# Altium PCB PCB1.PcbDoc (part 2 of 2) (continued)
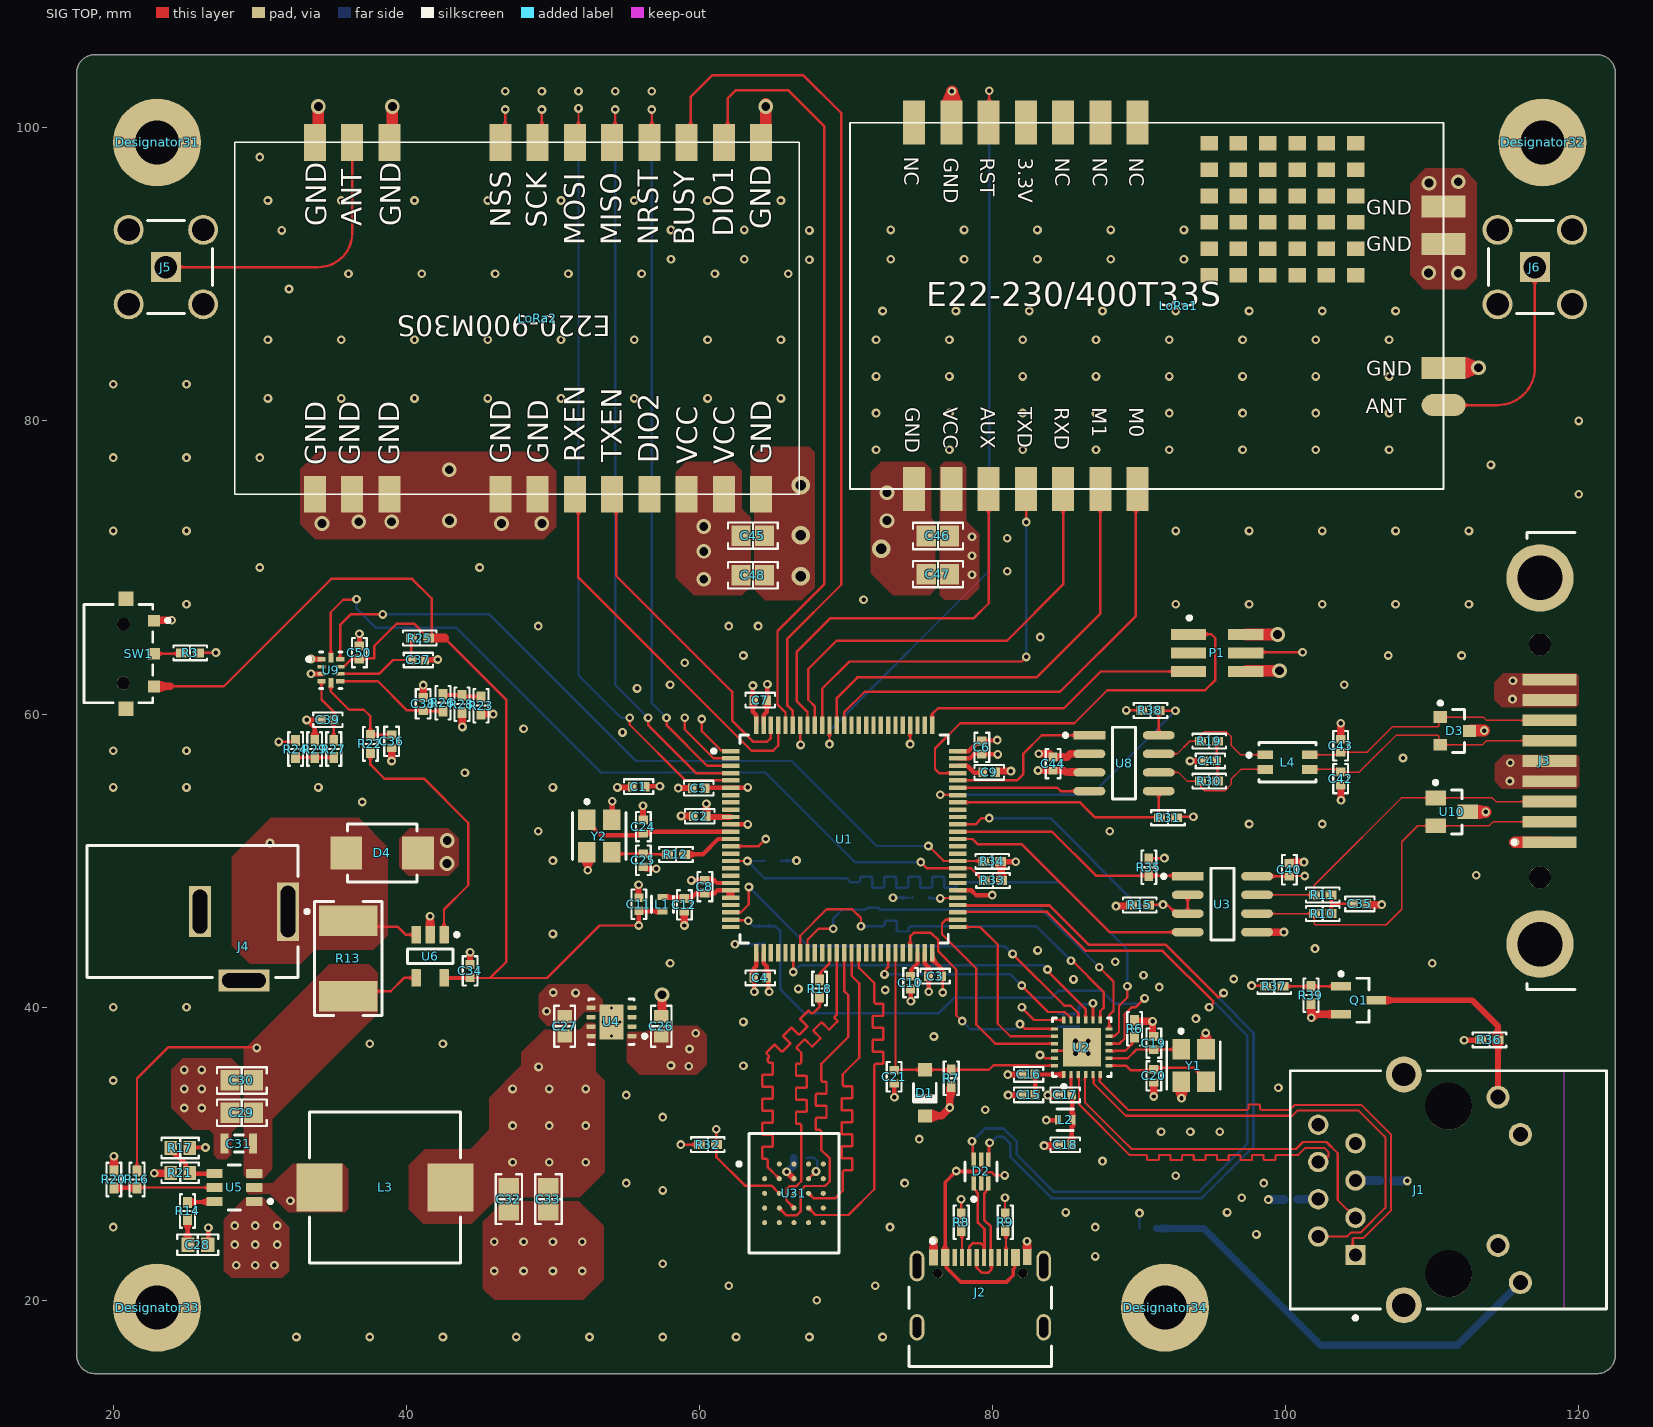
[diagram p0: SIG TOP view]
## Nets (pads, with @x,y where several pads share a name; then routed paths per layer and width w, separated by ;. In a path a pad name is that pad's centre, name@x,y a point inside that pad or via, vN(x,y) a via of type N, cw(c..) or ccw(c..) an arc to the next point about the centre after c; other vN are vias at no path point) (continued)
  SIG TOP w0.35: v1(33.498,62.75) 33.516,62.732 U9.3@34.205,62.732 ; v1(33.498,63.75) 33.503,63.745 U9.1@34.208,63.745 ; C50.1@36.8,64.64 v1(36.8,65.475) ; C38.1@41.125,61.155 C38.1@41.15,61.18 ; C37.1@41.29,63.665 41.333,63.708 42.133,63.708 v1(42.15,63.725) ; R28.2@43.8,60.102 R28.2@43.812,60.09 ; v1@43.812,59.138 v1(43.825,59.125)
  SIG TOP w0.4: C34.1@44.35,42.915 v1(44.35,43.75) ; v1(52.375,49.35) Y2.2@52.375,50.525 ; Y2.4@54.05,52.8 v1(54.05,54.05) ; v1(54.4,55) C1.1@55.36,55 ; C11.1@55.85,47.49 v1(55.85,48.35) ; C24.1@56.15,52.79 v1(56.15,53.75) ; C25.1@56.31,49.45 v1(57.05,49.45) ; v1(58.55,54.95) C5.1@59.51,54.95 ; v1(60.475,53.875) 60.47,53.87 60.47,53.03 C2.1@60.465,53.025 60.515,52.975 U1.10@62.125,52.975 ; v1@65.963,28.775 U31.B3@66.437,28.3 ; v1(81.033,35.4) C16.1@82.003,35.4 ; v1(81.058,34) C15.1@82.003,34 ; v1(83.775,34) C17.1@84.503,34 ; v1(93.475,56.8) C41.1@94.418,56.801
  SIG TOP w0.5: R20.1@20.05,28.825 v1(20.05,29.825) ; v1(22.8,28.675) R21.1@23.9,28.675 ; SW1.1@22.805,66.4 v1(24,66.4) ; v1(39,56.8) C36.1@39,57.7 ; C38.1@41.15,61.18 v1(41.15,61.975) ; U6.2@41.625,44.95 v1(41.625,46.2) ; v1@43.812,59.138 R28.2@43.812,60.09 ; v1(58.975,45.575) C12.1@58.975,46.545 ; J2.A1-B12@75.975,22.94 v1(75.975,24.075) ; C9.1@80.301,56.111 v1(81.25,56.111) ; J2.B1-A12@82.35,22.965 v1(82.35,24.025) ; v1(83.15,57.3) 83.621,57.3 83.638,57.283 83.907,57.283 C44.2@84.125,57.065 85.09,57.065 85.31,57.285 U8.2@86.611,57.285 ; v1(83.517,30.558) C18.1@84.462,30.558 ; v1(88.425,46.9) R15.2@89.4,46.9 ; R6.1@89.767,39.033 v1(90.917,39.033) C19.1@90.917,38.09 ; v1(90.992,33.908) C20.1@90.992,34.858 ; v1(92.892,33.783) Y1.2@92.892,34.885 ; Y1.4@94.55,37.127 v1(94.55,38.244) ; U3.5@98.046,45.122 v1@99.873,45.123 ; C40.2@100.334,49.899 v1(101.249,49.899) ; R39.1@101.725,40.25 101.75,40.225 v1(101.75,39.275) 101.868,39.275 102.118,39.525 Q1.2@103.775,39.525 ; C43.1@103.75,58.28 v1(103.75,59.375) ; v1(103.775,54.125) C42.1@103.775,55.135 ; C35.2@105.555,47 v1(106.55,47)
  SIG TOP w0.6: C26.1@57.45,39.425 v2(57.45,40.85)
  SIG TOP w0.8: LoRa2.22@34,99.335 v2(34,101.45) ; LoRa2.20@39.05,99.365 v2(39.05,101.45) ; LoRa2.12@64.525,99.53 v2@64.525,101.65 ; LoRa1.23@77.225,100.38 v1(77.225,102.5) ; P1.6@97.32,62.95 v2(99.575,62.95) ; LoRa1.12@110.78,83.625 v2(113.15,83.625) ; U10.3@112.425,53.325 v1(113.65,53.325) ; D3.3@112.575,58.875 v1(113.55,58.875) ; v1(115.65,51.25) J3.1@117.99,51.25
  SIG BOT w0.165: C14.1@84.492,38.655 85.852,38.655 C13.1@85.892,38.695 85.892,38.05 85.667,37.825 v5(85.667,37.7) ; C23.1@99.882,26.875 C23.1@99.907,26.9
  SIG BOT w0.5: v1(65.95,28.775) 66.025,28.775 66.435,29.185 C49.1@66.435,29.725
  SIG BOT w0.6: v1(98.817,26.875) C23.1@99.882,26.875 ; C22.1@107.355,28.15 v1(108.3,28.15)
  other v1: 32.5,17.5 37.5,17.5 42.5,17.5 47.5,17.5 52.5,17.5 57.5,17.5 62.5,17.5 67.5,17.5 72.5,17.5 68,20 62,21 72,21 46,22 48,22 50,22 52,22 28.4,22.4 29.7,22.4 31,22.4 57.5,22.5 87,23 28.3,23.8 29.7,23.8 31.2,23.8 46,24 48,24 50,24 52,24 20,25 73,25 87,25 28.3,25.1 29.7,25.1 31.2,25.1 57.5,27.5 55,28 74,28 75,31 57.5,32.5 24.85,33.125 26.05,33.125 55,34 24.85,34.425 26.05,34.425 20,35 24.85,35.725 26.05,35.725 63,36 37.5,37.5 42.5,37.5 76,38 63,39 93.875,39.225 49.575,39.725 20,40 25,40 51.55,40.975 50.025,41 72.675,41.175 66.75,41.25 91.375,41.375 85.525,41.9 96.45,41.925 90.3,42.175 58,43 110,43 88.375,43.1 83.075,43.875 102,44 50,45 113,49 50,50 49,52 88,52 97.5,52.5 102.5,52.5 37,54 20,55 25,55 34,55 50,55 115.3,55.425 44,56 115.325,56.675 108,57 20,57.5 25,57.5 54.75,58.75 48,59 115.475,61.025 55.75,61.75 58,62 104,62 115.5,62.275 59,63.5 63,64 107,64 112,64 83.25,65.25 49,66 62,66 64,66 25,67.5 92.5,67.5 97.5,67.5 102.5,67.5 107.5,67.5 112.5,67.5 71.2,67.8 81,69.75 30,70 45,70 81,72 20,72.5 25,72.5 92.5,72.5 97.5,72.5 102.5,72.5 107.5,72.5 112.5,72.5 120,75 114,77 20,77.5 25,77.5 30,77.5 72.057,78.038 77.057,78.038 82.057,78.038 87.057,78.038 92.057,78.038 97.057,78.038 102.057,78.038 107.057,78.038 120,80 72.057,80.538 77.057,80.538 82.057,80.538 87.057,80.538 92.057,80.538 97.057,80.538 102.057,80.538 107.057,80.538 30.557,81.538 35.557,81.538 40.557,81.538 45.557,81.538 50.557,81.538 55.557,81.538 60.557,81.538 65.557,81.538 20,82.5 25,82.5 72.057,83.038 77.057,83.038 82.057,83.038 87.057,83.038 92.057,83.038 97.057,83.038 102.057,83.038 107.057,83.038 30.557,85.538 35.557,85.538 40.557,85.538 45.557,85.538 50.557,85.538 55.557,85.538 60.557,85.538 65.557,85.538 72.057,85.538 77.057,85.538 82.057,85.538 87.057,85.538 92.057,85.538 97.057,85.538 102.057,85.538 107.057,85.538 72.5,87.5 77.5,87.5 82.5,87.5 87.5,87.5 92.5,87.5 97.5,87.5 102.5,87.5 107.5,87.5 32,89 36.057,90.038 41.057,90.038 46.057,90.038 51.057,90.038 56.057,90.038 61.057,90.038 66.057,90.038 67.5,91 58.057,91.038 63.057,91.038 73.057,91.038 78.057,91.038 83.057,91.038 88.057,91.038 93.057,91.038 31.5,93 67.5,93 58.057,93.038 63.057,93.038 73.057,93.038 78.057,93.038 83.057,93.038 88.057,93.038 93.057,93.038 30.557,95.038 35.557,95.038 40.557,95.038 45.557,95.038 50.557,95.038 55.557,95.038 60.557,95.038 65.557,95.038 30,98 46.75,102.5 49.25,102.5 51.75,102.5 54.25,102.5 56.75,102.5
  other v2: 42.775,49.8 42.8,51.375 34.25,73 46.5,73 49.25,73 36.75,73.123 39,73.123 42.95,73.2 72.8,73.2 72.8,75.1 42.925,76.675 111.775,90.075 109.75,90.1 109.775,96.225 111.775,96.325 64.525,101.45
  other v3: 98,24.5 85,26 96,26 97,27 98.5,28 92.5,28.5 87.5,29.5 91.5,31.5 93.5,31.5 95.5,31.5 79.5,33 99.5,34.5
  other v4: 66.9,69.4 72.413,71.287 66.9,72.2 66.9,75.6
  other v5: 86.533,36.833 86.533,37.7
  other v6: 54,38.05 53.425,39 54.575,39 54,39.95
I2C4_SCL: R33.1 U1.59 U9.10 | length 56.4
  SIG TOP w0.165: U9.10@34.85,63.85 34.85,66.95 35.7,67.8 36.564,67.8 v1(36.6,67.836) ; v1(75.1,49.9) 75.525,49.475 U1.59@77.625,49.475 78.55,49.475 79.375,48.65 R33.1@79.45,48.65
  SIG BOT w0.165: v1(36.6,67.836) 36.6,67.2 37.9,65.9 43.4,65.9 53.289,56.011 64.489,56.011 70.6,49.9 v1(75.1,49.9)
I2C4_SDA: R34.1 U1.60 U9.9 | length 53.5
  SIG TOP w0.165: U9.9@35.488,63.74 35.488,66.088 36.2,66.8 v1(38.4,66.8) ; v1(75.625,51) 75.643,51 76.668,49.975 U1.60@77.625,49.975 79.375,49.975 R34.1@79.4,49.95
  SIG BOT w0.165: v1(38.4,66.8) 45.667,66.8 55.667,56.8 66.3,56.8 72.1,51 v1(75.625,51)
IN_ISENSE: C36.2 R22.1 U9.5 | length 6.8
  SIG TOP w0.165: U9.5@34.85,62.13 34.85,61.55 36.1,60.3 37.1,60.3 37.55,59.85 R22.1@37.55,58.54 37.59,58.58 C36.2@39,58.58
LoRa1_AUX: LoRa1.3 U1.93 | length 27.6
  SIG TOP w0.165: U1.93@67.375,59.225 67.375,60.15 66.628,60.897 66.628,64.228 68.95,66.55 78.725,66.55 79.735,67.56 LoRa1.3@79.735,75.35
LoRa1_M0: LoRa1.7 U1.88 | length 32.2
  SIG TOP w0.165: U1.88@69.875,59.225 69.875,60.125 71.275,61.525 84.6,61.525 89.775,66.7 89.775,75.23 LoRa1.7@89.895,75.35
LoRa1_M1: LoRa1.6 U1.89 | length 30.7
  SIG TOP w0.165: U1.89@69.375,59.225 69.375,61.1 70.775,62.5 83,62.5 87.355,66.855 LoRa1.6@87.355,75.35
LoRa1_RESET: LoRa1.22 U1.90 | length 52.7
  SIG TOP w0.165: v1(68.875,57.95) U1.90@68.875,59.225 ; LoRa1.22@79.735,100.35 79.735,100.41 79.975,100.65 79.775,100.85 v1(79.775,102.525)
  SIG BOT w0.165: v1(68.875,57.95) 68.875,58.875 79.775,69.775 v1(79.775,102.525)
LoRa2_BUSY: LoRa2.14 U1.95 | length 58.2
  SIG TOP w0.165: LoRa2.14@59.36,99.325 59.4,99.365 59.4,101.2 59.4,102.1 60.9,103.6 67.075,103.6 69.675,101 69.675,68.825 66,65.15 66,60.575 66.375,60.2 U1.95@66.375,59.225
LoRa2_DIO1: LoRa2.13 U1.96 | length 53
  SIG TOP w0.165: LoRa2.13@61.9,99.325 61.925,99.35 61.925,101.25 61.925,102 62.5,102.575 66.05,102.575 68.525,100.1 68.525,68.875 65.325,65.675 65.325,60.65 65.875,60.1 U1.96@65.875,59.225
LoRa2_DIO2: LoRa2.8
LoRa2_NRST: LoRa2.15 U1.3 | length 49.9
  SIG TOP w0.165: v1(56.75,101.25) 56.75,99.395 LoRa2.15@56.82,99.325 ; v1(57.75,59.75) 57.781,59.719 57.781,59.219 60.525,56.475 U1.3@62.125,56.475
  SIG BOT w0.165: v1(56.75,101.25) 56.75,60.75 v1(57.75,59.75)
LoRa2_NSS: LoRa2.19 U1.2 | length 53.3
  SIG TOP w0.165: LoRa2.19@46.66,99.325 46.75,99.415 v1(46.75,101.25) ; v1(59,59.75) 59,58.95 60.975,56.975 U1.2@62.125,56.975
  SIG w0.165: v1(46.75,101.25) 47.9,100.1 47.9,70.85 v1(59,59.75)
LoRa2_RXEN: LoRa2.6 U1.97 | length 26.1
  SIG TOP w0.165: LoRa2.6@51.74,75.325 51.74,69.31 63.55,57.5 65.025,57.5 65.375,57.85 U1.97@65.375,59.225
LoRa2_TXEN: LoRa2.7 U1.98 | length 23.3
  SIG TOP w0.165: LoRa2.7@54.28,75.325 54.325,75.28 54.325,69.425 62.225,61.525 62.225,59.55 63.65,58.125 64.625,58.125 64.875,58.375 U1.98@64.875,59.225
NetC15_2: C15.2 C16.2 U2.1 | length 3.4
  SIG TOP w0.3: C15.2@82.9,34.017 C16.2@82.9,35.417 82.905,35.412 84.845,35.412 U2.1@84.85,35.407
NetC22_2: C22.2 J1.5 | length 1.7
  SIG BOT w0.165: C22.2@106.455,28.17 C22.2@106.475,28.15
  SIG BOT w0.6: J1.5@104.76,28.17 C22.2@106.455,28.17
NetC23_2: C23.2 J1.4 | length 1.4
  SIG BOT w0.6: C23.2@100.787,26.9 J1.4@102.22,26.9
NetC25_2: C25.2 R12.2 Y2.3 | length 3.9
  SIG TOP w0.165: Y2.3@54.025,50.575 54.135,50.465 C25.2@56.175,50.465 56.215,50.425 R12.2@57.825,50.425
NetJ1_12: J1.12 Q1.3 R36.2 | length 13.9
  SIG TOP w0.4: Q1.3@106.175,40.475 112.725,40.475 114.475,38.725 R36.2@114.475,37.775 114.49,37.76 J1.12@114.49,33.86
NetQ1_1: Q1.1 R37.1 R39.2 | length 4
  SIG TOP w0.165: R37.1@99.8,41.425 101.7,41.425 R39.2@101.725,41.4 101.75,41.425 Q1.1@103.775,41.425
NetR3_1: R3.1 SW1.2 | length 1.9
  SIG TOP w0.165: SW1.2@22.78,64.125 24.625,64.125 R3.1@24.675,64.175
NetR4_2: R4.2 U2.23 | length 15.9
  SIG TOP w0.165: v1(83.233,36.741) 83.351,36.741 83.575,36.517 U2.23@84.24,36.517
  SIG w0.3: v1(83.233,36.741) 86.53,33.444 86.786,33.444 90.025,30.204 v1(90.025,25.95)
  SIG BOT w0.165: R4.2@90,24.95 90.025,24.975 v1(90.025,25.95)
NetR22_2: R22.2 U6.1 | length 17.5
  SIG TOP w0.165: R22.2@37.55,57.39 37.55,56.55 38.5,55.6 41.2,55.6 44.225,52.575 44.225,48.325 42.575,46.675 U6.1@42.575,44.95
NetR23_2: R23.2 R26.2 R28.1 | length 2.7
  SIG TOP w0.3: R26.2@42.5,61.352 42.55,61.302 43.75,61.302 R28.1@43.8,61.252 43.85,61.202 45.05,61.202 R23.2@45.1,61.152
NetR24_2: R24.2 R27.2 R29.1 | length 2.6
  SIG TOP w0.165: R24.2@32.45,57.04 R29.1@33.75,57.04 R27.2@35.05,57.04
NRST: P1.4 U1.14 | length 49.2
  SIG TOP w0.165: U1.14@62.125,50.975 62.137,50.988 64.038,50.988 v1(64.525,51.475) ; P1.4@97.275,64.175 97.325,64.225 v1(101.15,64.225)
  SIG w0.2: v1(64.525,51.475) 66.725,51.475 70.125,54.875 74.725,54.875 84.95,65.1 89.931,65.1 90.831,64.2 101.125,64.2 v1(101.15,64.225)
OSC_IN: C24.2 U1.12 Y2.1 | length 10.4
  SIG TOP w0.165: Y2.1@52.325,52.775 52.325,52.675 53.275,51.725
  SIG TOP w0.3: 53.275,51.725 55.891,51.725 55.901,51.735 56.025,51.735 56.265,51.975 U1.12@62.125,51.975
OSC_OUT: R12.1 U1.13 | length 3.6
  SIG TOP w0.3: R12.1@58.975,50.425 60.225,50.425 61.275,51.475 U1.13@62.125,51.475
QSPI_CLK: R18.1 U1.36 | length 2.2
  SIG TOP w0.165: R18.1@68.05,41.825 68.268,42.043 68.268,42.371 68.875,42.978 U1.36@68.875,43.725
QSPI_IO0: U1.37 U31.D3 | length 25.3
  SIG TOP w0.165: U31.D3@66.45,26.3 65.942,26.808 65.942,27.592 66.125,27.775 66.6,27.775 66.95,28.125 66.95,31.87 66.95,31.953 66.854,32.049 66.629,32.049 66.588,32.09 66.588,32.826 66.629,32.867 67.271,32.867 67.312,32.908 67.312,33.645 67.271,33.686 66.629,33.686 66.588,33.727 66.588,34.464 66.629,34.504 67.271,34.504 67.312,34.545 67.312,35.282 67.271,35.323 66.629,35.323 66.588,35.364 66.588,36.101 66.629,36.142 66.854,36.142 66.95,36.238 66.95,36.7 66.95,36.775 66.95,36.891 66.631,37.21 66.631,37.268 67.152,37.789 67.21,37.789 67.664,37.335 67.722,37.335 68.243,37.856 68.243,37.914 67.789,38.368 67.789,38.426 68.31,38.947 68.367,38.947 68.822,38.492 68.879,38.492 69.4,39.013 69.4,39.071 69.241,39.23 69.241,39.366 69.375,39.5 69.375,39.79 U1.37@69.375,43.725
QSPI_IO1: U1.38 U31.D2 | length 24.8
  SIG TOP w0.165: U31.D2@65.45,26.3 65.95,25.8 66.625,25.8 66.925,26.1 66.925,27.525 67.2,27.8 68.575,27.8 68.9,28.125 68.9,29.675 68.307,30.268 68.307,31.45 68.307,31.532 68.21,31.629 67.986,31.629 67.945,31.67 67.945,32.406 67.986,32.447 68.628,32.447 68.669,32.488 68.669,33.225 68.628,33.266 67.986,33.266 67.945,33.307 67.945,34.043 67.986,34.084 68.628,34.084 68.669,34.125 68.669,34.862 68.628,34.903 68.403,34.903 68.307,34.999 68.307,35.889 68.307,36.132 70.15,37.975 70.15,40.825 69.875,41.1 U1.38@69.875,43.725
QSPI_IO2: U1.39 U31.C4 | length 24.8
  SIG TOP w0.165: U31.C4@67.45,27.3 67.796,26.954 69.255,26.954 69.775,27.474 69.775,27.869 69.775,28.769 69.871,28.866 70.384,28.866 70.425,28.907 70.425,29.643 70.384,29.684 69.742,29.684 69.701,29.725 69.701,30.462 69.742,30.503 70.384,30.503 70.425,30.544 70.425,31.28 70.384,31.321 69.742,31.321 69.701,31.362 69.701,32.099 69.742,32.14 70.384,32.14 70.425,32.181 70.425,32.917 70.384,32.958 69.742,32.958 69.701,32.999 69.701,33.736 69.742,33.777 70.384,33.777 70.425,33.818 70.425,34.554 70.384,34.595 69.871,34.595 69.775,34.692 69.775,35.425 69.984,35.634 70.9,36.55 70.9,41.625 70.38,42.145 70.38,43.72 U1.39@70.375,43.725
QSPI_IO3: U1.40 U31.D4 | length 25.7
  SIG TOP w0.165: U31.D4@67.45,26.3 67.925,25.825 70.175,25.825 71.925,27.575 71.925,35.148 71.925,36.049 72.021,36.145 72.496,36.145 72.537,36.186 72.537,36.922 72.496,36.963 71.854,36.963 71.813,37.004 71.813,37.741 71.854,37.782 72.496,37.782 72.537,37.823 72.537,38.56 72.496,38.6 71.854,38.6 71.813,38.641 71.813,39.378 71.854,39.419 72.496,39.419 72.537,39.46 72.537,40.197 72.496,40.238 72.021,40.238 71.925,40.334 71.925,41.25 71.925,41.65 70.88,42.695 70.88,43.72 U1.40@70.875,43.725
QSPI_NCS: R32.1 U1.79 U31.C2 | length 46
  SIG TOP w0.165: v1(61.15,31.675) R32.1@61.15,30.625 61.15,29.775 63.1,27.825 64.925,27.825 U31.C2@65.45,27.3 ; v1(74.375,57.95) U1.79@74.375,59.225
  SIG w0.2: v1(61.15,31.675) 61.15,54.5 63.525,56.875 73.3,56.875 v1(74.375,57.95)
RS485_A_N: J3.2 R11.1 U3.7 U10.1 | length 23.2
  SIG TOP w0.103: U3.7@98.046,47.662 100.188,47.662 R11.1@101.95,47.662 101.95,48.325 102.625,49 107.9,54.275 109,54.275 U10.1@110.225,54.275 114.1,54.275 114.345,54.03 J3.2@118,54.03
RS485_A_P: J3.6 R10.2 U3.6 U10.2 | length 26.3
  SIG TOP w0.103: U3.6@98.046,46.392 99.421,46.392 R10.2@101.95,46.392 101.95,45.677 102.002,45.625 106.861,45.625 107.925,46.689 107.925,51.289 109.011,52.375 U10.2@110.225,52.375 113.875,52.375 114.145,52.645 J3.6@118,52.645
RS_EN#: R15.1 U1.65 U3.2 U3.3 | length 20.9
  SIG TOP w0.165: U1.65@77.625,52.475 78.825,52.475 79.25,52.9 v1(79.775,52.9) ; R15.1@90.625,46.975 90.65,47 v1(91.625,47) 91.708,46.917 92,46.917 92.525,46.392 U3.3@93.319,46.392 U3.2@93.319,47.662
  SIG BOT w0.165: v1(79.775,52.9) 83.95,52.9 89.9,46.95 91.575,46.95 v1(91.625,47)
RS_SPLIT: C35.1 R10.1 R11.2 | length 2.8
  SIG TOP w0.165: R10.1@103.1,46.392 103.1,47.027 ; R11.2@103.1,47.662 103.1,47.027 ; C35.1@104.625,47.05 103.123,47.05 103.1,47.027
SPI4_MISO: LoRa2.16 U1.4 | length 51.9
  SIG TOP w0.165: v1(54.25,101.25) 54.25,99.355 LoRa2.16@54.28,99.325 ; v1(56.5,59.75) 56.5,59.25 59.775,55.975 U1.4@62.125,55.975
  SIG BOT w0.165: v1(54.25,101.25) 54.25,62 v1(56.5,59.75)
SPI4_MOSI: LoRa2.17 U1.5 | length 54.3
  SIG TOP w0.165: LoRa2.17@51.74,99.325 51.75,99.335 v1(51.75,101.325) ; v1(55.25,59.75) 55.25,59.275 59.05,55.475 U1.5@62.125,55.475
  SIG BOT w0.165: v1(51.75,101.325) 51.75,62.65 54.65,59.75 v1(55.25,59.75)
SPI4_SCK: LoRa2.18 U1.1 | length 51.4
  SIG TOP w0.165: LoRa2.18@49.2,99.325 49.25,99.375 v1(49.25,101.25) ; v1(60.163,59.663) 60.163,58.837 61.457,57.543 62.057,57.543 U1.1@62.125,57.475
  SIG w0.165: v1(49.25,101.25) 49.25,75.05 60.163,64.137 v1(60.163,59.663)
UART5_RXD: LoRa1.4 U1.91 | length 28.8
  SIG TOP w0.165: U1.91@68.379,59.229 68.379,61.737 70.229,63.587 81.987,63.587 v1(82.3,63.9) ; LoRa1.4@82.275,75.35 82.3,75.325 v1(82.3,73.1)
  SIG BOT w0.165: v1(82.3,63.9) v1(82.3,73.1)
UART5_TXD: LoRa1.5 U1.92 | length 30.3
  SIG TOP w0.165: U1.92@67.875,59.225 67.875,60.525 67.425,60.975 67.425,63.075 69.35,65 80.975,65 84.815,68.84 LoRa1.5@84.815,75.35
UART6_RX: R35.1 U1.64 U3.1 | length 17
  SIG TOP w0.165: U1.64@77.625,51.975 84.05,51.975 87.049,48.976 R35.1@90.659,48.976 93.274,48.976 U3.1@93.319,48.932
UART6_TX: U1.63 U3.4 | length 18.3
  SIG TOP w0.165: U1.63@77.625,51.475 78.625,51.475 78.975,51.125 81.975,51.125 87.978,45.122 U3.4@93.319,45.122
USB1_CC1: J2.A5 R8.2 | length 1.9
  SIG TOP w0.165: R8.2@77.865,24.75 77.915,24.7 J2.A5@77.915,22.915
USB1_CC2: J2.B5 R9.2 | length 1.9
  SIG TOP w0.165: R9.2@80.865,24.75 80.915,24.7 J2.B5@80.915,22.915
USB1_CONN_D_N: D2.1 J2.A7 J2.B7 | length 8.1
  SIG TOP w0.176: J2.B7@78.415,22.915 78.415,23.665 78.65,23.9 79.175,23.9 79.415,23.66 J2.A7@79.415,22.915 79.45,22.95 79.45,23.66 79.45,24.854 79,25.304 79,27.29 78.888,27.401 78.888,27.452 78.777,27.563 78.777,27.933 D2.1@78.715,27.995
USB1_CONN_D_P: D2.3 J2.A6 J2.B6 | length 8.1
  SIG TOP w0.176: J2.A6@78.915,22.915 78.915,22.235 79.275,21.875 79.7,21.875 79.915,22.09 J2.B6@79.915,22.915 79.88,22.95 79.88,25.033 79.43,25.483 79.43,27.29 79.542,27.401 79.542,27.452 79.653,27.563 79.653,27.933 D2.3@79.715,27.995
USB1_D_N: D2.6 U1.53 | length 55.6
  SIG TOP w0.176: U1.53@77.625,46.475 77.66,46.51 83.715,46.51 86.38,43.845 91.607,43.845 95.063,40.389 95.063,40.279 94.784,40 v1(94.775,40) ; v1(78.6,30.85) 78.657,30.793 78.657,29.662 D2.6@78.715,29.605
  SIG BOT w0.176: v1(78.6,30.85) 79.475,31.725 80.761,31.725 81.65,30.836 81.65,29.95 84.2,27.4 94.095,27.4 97.374,30.679 97.374,38.078 95.173,40.279 95.063,40.279 94.784,40 v1(94.775,40)
USB1_D_P: D2.4 U1.54 | length 55.6
  SIG TOP w0.176: U1.54@77.625,46.975 77.66,46.94 83.894,46.94 86.559,44.275 91.786,44.275 95.367,40.693 95.477,40.693 95.711,40.927 95.711,40.973 v1(95.765,40.973) ; D2.4@79.715,29.605 79.757,29.648 79.757,30.707 v1(79.8,30.75)
  SIG BOT w0.176: v1(79.8,30.75) 79.875,30.75 80.292,31.167 80.71,31.167 81.22,30.657 81.22,29.772 84.022,26.97 94.273,26.97 97.804,30.501 97.804,38.256 95.477,40.584 95.477,40.693 95.642,40.858 95.765,40.858 v1(95.765,40.973)
VBUS1: D2.5 J2.A4-B9 J2.B4-A9 | length 15.8
  SIG TOP w0.25: D2.5@79.215,29.605 79.215,28.957 79.046,28.789 77.561,28.789 v1(77.525,28.825) 76.765,28.065 J2.A4-B9@76.765,22.915 76.85,22.83 76.85,22.225 77.825,21.25 80.95,21.25 81.405,21.705 81.405,22.109 81.521,22.225 81.521,22.871 J2.B4-A9@81.565,22.915
VCAP1: C10.2 U1.48 | length 1.9
  SIG TOP w0.3: C10.2@74.275,42.065 74.295,42.065 74.445,42.215 74.445,42.545 74.875,42.975 U1.48@74.875,43.725
VCAP2: C9.2 U1.73 | length 1.9
  SIG TOP w0.3: U1.73@77.625,56.475 78.275,56.475 78.75,56 79.31,56 C9.2@79.335,56.025
VIN: D4.2 J4.1 R13.1 R24.1 U6.3 | length 13.4
  SIG TOP w0.165: v1(31.3,58.1) 32.36,58.1 R24.1@32.45,58.19 ; R13.1@36.05,45.9 36.45,45.5 39.4,45.5 39.95,44.95 U6.3@40.675,44.95
  SIG w0.2: v1(30.7,51.2) 30.7,57.5 v1(31.3,58.1)
VIN_LOAD: C29.2 C30.2 C31.2 R13.2 R16.2 U5.3 U6.4 | length 20.5
  SIG TOP w0.165: R16.2@21.625,28.825 21.625,35.125 23.775,37.275 29.75,37.275 v1(29.8,37.225) ; R13.2@36.05,40.75 36.388,41.087 38.937,41.087 39.85,42 U6.4@40.675,42
VSENSE_3V3: C37.2 R25.1 U9.7 | length 6.8
  SIG TOP w0.165: U9.7@35.488,62.74 38.14,62.74 39.09,63.69 C37.2@40.385,63.69 40.35,63.725 R25.1@40.35,65.19
VSENSE_5V: C38.2 R26.1 U9.6 | length 7.9
  SIG TOP w0.165: U9.6@35.488,62.24 38.06,62.24 40.05,60.25 C38.2@41.15,60.25 41.197,60.202 R26.1@42.5,60.202
VSENSE_IN: C39.2 R27.1 U9.4 | length 4.5
  SIG TOP w0.165: U9.4@34.213,62.24 34.213,60.987 35.09,60.11 C39.2@35.09,59.615 35.05,59.575 R27.1@35.05,58.19
  SIG TOP w0.3: R27.1@35.05,58.19 R27.1@35.07,58.21
pads on no net: J1. J1.7 J1.13 J1.14 J2. J2.1 J2.2 J2.3 J2.4 J2.A8 J2.B8 J3. J3.10 J3.11 LoRa1.0 LoRa1.18 LoRa1.19 LoRa1.20 LoRa1.21 LoRa1.24 P1.3 SW1. SW1.4 SW1.5 U1.7 U1.8 U1.9 U1.15 U1.17 U1.18 U1.22 U1.25 U1.28 U1.29 U1.30 U1.34 U1.35 U1.41 U1.42 U1.43 U1.46 U1.57 U1.58 U1.61 U1.62 U1.66 U1.67 U1.77 U1.78 U1.80 U1.81 U1.82 U1.83 U1.84 U1.85 U1.86 U1.87 U4.2 U4.3 U4.4 U4.6 U9.2 U31.A2 U31.A3 U31.A4 U31.A5 U31.B1 U31.B5 U31.C1 U31.C3 U31.C5 U31.D1 U31.D5 U31.E1 U31.E2 U31.E3 U31.E4 U31.E5

## Polygon pours and split planes (outlines as drawn)
+5V on SIG TOP "+5V_L01_P025" (solid, pour order 25): 58.4,69.3 59.6,68.1 62.9,68.1 63.5,68.7 63.5,73.4 62.9,74 62.9,76.6 62.3,77.2 59.1,77.2 58.4,76.5
GND on SIG TOP "GND_L01_P026" (solid, pour order 26): 63.5,74 63.75,73.75 63.75,68.5 64.5,67.75 67,67.75 67.875,68.625 67.875,77.875 67.5,78.25 64.25,78.25 63.5,77.5
GND on SIG TOP "GND_L01_P033" (solid, pour order 33): 33.95,77.9 48.925,77.9 50.225,76.6 50.225,72.775 49.375,71.925 33.8,71.925 32.775,72.95 32.775,76.725 33.125,77.075
+3V3 on SIG TOP "+3V3_L01_P054" (solid, pour order 54): 55.025,38.15 55.2,38.325 56.375,38.325 56.775,38.725 59.9,38.725 60.5,38.125 60.5,36.075 59.8,35.375 55.925,35.375 55.025,36.275 55.025,37.925
GND on SIG TOP "GND_L01_P057" (solid, pour order 57): 119.825,62.8 120,62.625 120,60.65 119.825,60.475 114.725,60.475 114.225,60.975 114.225,62.175 114.85,62.8 116.05,62.8
GND on SIG TOP "GND_L01_P055" (solid, pour order 55): 119.875,57.225 120.025,57.075 120.025,55.075 119.85,54.9 114.75,54.9 114.25,55.4 114.25,56.6 114.875,57.225 116.075,57.225
VIN_LOAD on SIG TOP "VIN_LOAD_L01_P040" (solid, pour order 40): 34.75,42.925 28.925,37.1 28.925,28.525 29.15,28.3 30.225,28.3 30.859,28.934 30.859,32.359 38.05,39.55 38.05,42.35 37.475,42.925
GND on SIG TOP "GND_L01_P053" (solid, pour order 53): 52.975,40.95 53.4,40.525 53.4,39.842 53.233,39.675 52.175,39.675 51.25,38.75 49.6,38.75 49.025,39.325 49.025,40.9 49.7,41.575 52.35,41.575
GND on SIG TOP "GND_L01_P052" (solid, pour order 52): 39.525,51.5 40.25,52.225 42.875,52.225 43.575,51.525 43.575,49.65 42.9,48.975 40.125,48.975 39.525,49.575 39.525,50.7
+5V on SIG TOP "+5V_L01_P043" (solid, pour order 43): 47.85,36.025 47.85,36.925 49.4,38.475 51.825,38.475 52.275,38.925 52.8,38.925 52.925,38.8 52.925,35.6 53.55,34.975 53.55,28.725 51.85,27.025 46.25,27.025 44.45,25.225 41.15,25.225 40.15,26.225 40.15,29.225 41.25,30.325 44.35,30.325 45.65,31.625 45.65,33.825
VIN on SIG TOP "VIN_L01_P039" (solid, pour order 39): 28.1,44.9 28.1,50.275 30.75,52.925 36.75,52.925 38.75,50.925 38.75,44.925 37.75,43.925 33.75,43.925 32.8,42.975 29.325,42.975 28.1,44.2
GND on SIG TOP "GND_L01_P046" (solid, pour order 46): 45.45,25.575 46.65,26.775 51.775,26.775 53.457,25.093 53.457,21.407 52.075,20.025 51.725,20.025 46,20.025 45.225,20.8 45.225,25.375 45.45,25.6
BUCK_SW on SIG TOP "BUCK_SW_L01_P007" (solid, pour order 7): 29.1,27.375 29.225,27.25 30.725,27.25 31.95,26.025 35.825,26.025 36.05,26.25 36.05,28.95 35.683,29.317 32.242,29.317 30.9,27.975 29.1,27.975
GND on SIG TOP "GND_L01_P041" (solid, pour order 41): 26.85,31.325 26.55,31.625 26.5,31.625 25.45,31.625 23.95,33.125 23.95,35.725 24.75,36.525 28.05,36.525 28.7,35.875 28.7,32.075 28.05,31.425 28.05,29.925 27.75,29.625 27.15,29.625 26.85,29.925
GND on SIG TOP "GND_L01_P042" (solid, pour order 42): 29.05,27.025 29.05,27.125 30.15,27.125 30.45,26.825 30.45,26.55 32,25 32,22 31.525,21.525 28.05,21.525 27.55,22.025 27.55,25.525
GND on SIG TOP "GND_L01_P031" (solid, pour order 31): 75.3,77.2 75.8,76.7 75.8,73.4 76.1,73.1 76.1,68.5 75.7,68.1 73.2,68.1 71.7,69.6 71.7,76.5 72.4,77.2
+5V on SIG TOP "+5V_L01_P032" (solid, pour order 32): 76.4,68.1 76.7,67.8 78.3,67.8 79.1,68.6 79.1,72.3 78.2,73.2 78.2,76.9 77.9,77.2 76.7,77.2 76.4,76.9
GND on SIG TOP "GND_L01_P034" (solid, pour order 34): 108.5,96.2 109.525,97.225 112.1,97.225 113.05,96.275 113.05,89.75 112.3,89 109.425,89 108.5,89.925 108.5,93.025
+5V on PWR "+5V_L03_P047" (solid, pour order 47): 53.5,28.8 53.5,34 47.5,40 47.5,62.5 50,65 76.5,65 81,69.5 81,77.5 75.5,83 38.5,83 33.3,77.8 33.3,30.7 38.6,25.4 50.1,25.4
GND on PWR "GND_L03_P049" (solid, pour order 49): 33,16.5 22,16.5 18.77,19.73 18.77,101.07 21.2,103.5 118,103.5 121,100.5 121,77.5 117,73.5 103.5,73.5 117,73.5 121,77.5 121,73 121,70 121,23 114.5,16.5
+3V3 on PWR "+3V3_L03_P048" (solid, pour order 48): 90,63 94,67 100,67 102.5,64.5 102.5,37.5 89,24 59.5,24 57.5,26 57.5,36.9 51.4,43 51.4,60.4 54,63
GND on GND1 "GND_L02_P044" (solid, pour order 44): 119.96,105 cw(c119.96,102.46) 122.5,102.46 122.5,17.54 cw(c119.96,17.54) 119.96,15 20.04,15 cw(c20.04,17.54) 17.5,17.54 17.5,102.46 cw(c20.04,102.46) 20.04,105
GND on GND2 "GND_L05_P045" (solid, pour order 45): 119.96,105 cw(c119.96,102.46) 122.5,102.46 122.5,17.54 cw(c119.96,17.54) 119.96,15 20.04,15 cw(c20.04,17.54) 17.5,17.54 17.5,102.46 cw(c20.04,102.46) 20.04,105

## Other copper
PWR:
  pour cut-out: 121,38.9 118.941,36.841 118.941,35.954 120.881,35.954 121,36.073 121,38.8

## Text inside footprints (layer, text, board x,y; h text height)
LoRa1: Top Overlay "RST" at 79.165,97.956 h1 r270; Top Overlay "GND" at 105.497,94.08 h1; Top Overlay "GND" at 105.497,91.57 h1; Top Overlay "NC" at 89.338,97.942 h1 r270; Top Overlay "NC" at 86.828,97.942 h1 r270; Top Overlay "NC" at 84.278,97.942 h1 r270; Top Overlay "3.3V" at 81.748,97.942 h1 r270; Top Overlay "GND" at 76.658,97.942 h1 r270; Top Overlay "NC" at 73.968,98.042 h1 r270; Top Overlay "GND" at 74.048,80.925 h1 r270; Top Overlay "VCC" at 76.638,80.925 h1 r270; Top Overlay "AUX" at 79.188,80.925 h1 r270; Top Overlay "TXD" at 81.728,80.925 h1 r270; Top Overlay "RXD" at 84.258,80.925 h1 r270; Top Overlay "M1" at 86.808,80.925 h1 r270; Top Overlay "M0" at 89.318,80.925 h1 r270; Top Overlay "ANT" at 105.449,80.52 h1; Top Overlay "GND" at 105.497,83.07 h1; Top Overlay "E22-230/400T33S" at 75.482,87.288 h2.8
LoRa2: Top Overlay "E220-900M30S" at 53.963,87.192 h1.4 r180; Top Overlay "GND" at 47.136,77.096 h1.4 r90; Top Overlay "GND" at 49.669,77.096 h1.4 r90; Top Overlay "RXEN" at 52.172,77.169 h1.4 r90; Top Overlay "TXEN" at 54.705,77.169 h1.4 r90; Top Overlay "DIO2" at 57.208,77.117 h1.4 r90; Top Overlay "VCC" at 59.846,77.051 h1.4 r90; Top Overlay "VCC" at 62.38,77.051 h1.4 r90; Top Overlay "GND" at 64.913,77.051 h1.4 r90; Top Overlay "GND" at 39.513,76.991 h1.4 r90; Top Overlay "GND" at 36.84,76.991 h1.4 r90; Top Overlay "GND" at 34.518,76.991 h1.4 r90; Top Overlay "GND" at 34.545,93.291 h1.4 r90; Top Overlay "ANT" at 36.972,93.291 h1.4 r90; Top Overlay "GND" at 39.614,93.291 h1.4 r90; Top Overlay "GND" at 64.849,93.064 h1.4 r90; Top Overlay "DIO1" at 62.302,92.552 h1.4 r90; Top Overlay "BUSY" at 59.641,91.979 h1.4 r90; Top Overlay "NRST" at 57.176,91.979 h1.4 r90; Top Overlay "MISO" at 54.651,91.979 h1.4 r90; Top Overlay "MOSI" at 52.186,91.979 h1.4 r90; Top Overlay "SCK" at 49.586,93.17 h1.4 r90; Top Overlay "NSS" at 47.121,93.17 h1.4 r90